# Altium PCB PCB1.PcbDoc (part 2 of 2)
Units mm, origin at the board's own origin, x right, y up, seen from the top; angles counter-clockwise.
Board outline 125 x 50 mm, 4 copper layers (Top Layer, Top Middle Layer, Bottom Middle Layer, Bottom Layer), stack 0.603 mm thick; 91 components, 155 nets, 641 pads, 185 vias.
Unrouted connection lines stored in the file: 1.
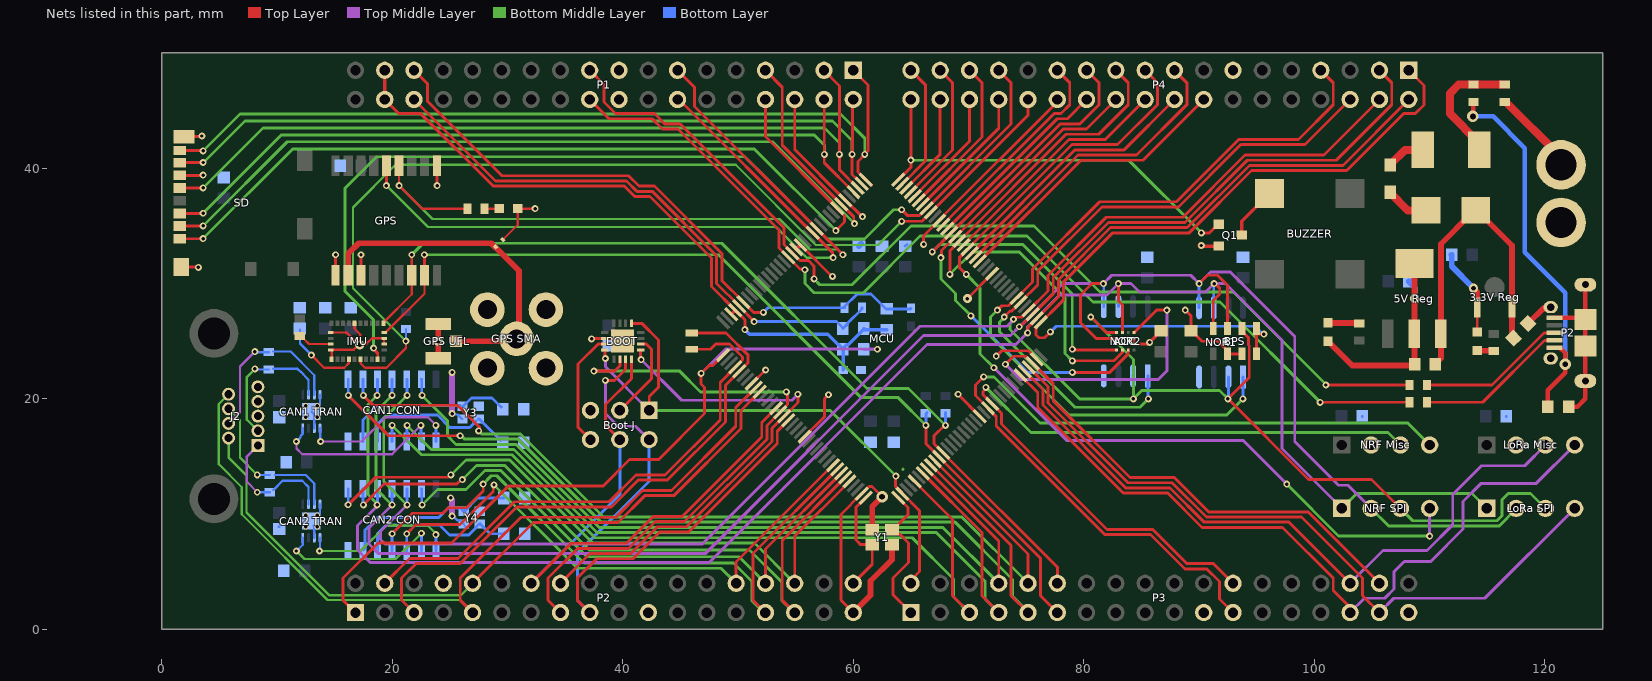
[diagram p4: the nets of this part, all layers, seen from the top]

## Via types
v1: diameter 0.6, hole 0.3, Top Layer to Bottom Layer, 143 vias
v2: diameter 0.8, hole 0.4, Top Layer to Bottom Layer, 26 vias
v3: diameter 0.5, hole 0.3, Top Layer to Bottom Layer, 8 vias
v4: diameter 3.2, hole 3.2, Top Layer to Bottom Layer, 4 vias
v5: diameter 1, hole 0.5, Top Layer to Bottom Layer, 3 vias
v6: diameter 0.8, hole 0.3, Top Layer to Bottom Layer, 1 vias

## Nets (pads, with @x,y where several pads share a name; then routed paths per layer and width w, separated by ;. In a path a pad name is that pad's centre, name@x,y a point inside that pad or via, vN(x,y) a via of type N, cw(c..) or ccw(c..) an arc to the next point about the centre after c; other vN are vias at no path point) (continued)
124: MCU.124 P4.16 | length 25.2
  Top Layer w0.25: MCU.124@70.979,31.929 79.751,40.7 85.14,40.7 P4.16@90.4,45.96
125: MCU.125 P4.17 | length 27.2
  Top Layer w0.25: MCU.125@70.626,32.283 79.493,41.15 84.57,41.15 88.935,45.515 88.935,47.425 P4.17@87.86,48.5
126: MCU.126 P4.18 | length 23.1
  Top Layer w0.25: MCU.126@70.272,32.636 79.236,41.6 83.5,41.6 P4.18@87.86,45.96
128: MCU.128 P4.20 | length 21
  Top Layer w0.25: MCU.128@69.565,33.343 78.722,42.5 81.86,42.5 P4.20@85.32,45.96
132: MCU.132 P4.24 | length 16.7
  Top Layer w0.25: MCU.132@68.151,34.757 77.694,44.3 78.58,44.3 P4.24@80.24,45.96
133: MCU.133 P4.25 | length 18.7
  Top Layer w0.25: MCU.133@67.798,35.111 77.437,44.75 78.01,44.75 78.775,45.515 78.775,47.425 P4.25@77.7,48.5
138: MCU.138 P4.30 | length 11.8
  Top Layer w0.25: MCU.138@66.03,36.879 72.62,43.469 P4.30@72.62,45.96
139: MCU.139 P4.31 | length 14
  Top Layer w0.25: MCU.139@65.676,37.232 71.155,42.711 71.155,47.425 P4.31@70.08,48.5
140: MCU.140 P4.32 | length 10.3
  Top Layer w0.25: MCU.140@65.323,37.586 70.08,42.343 P4.32@70.08,45.96
141: MCU.141 P4.33 | length 12.5
  Top Layer w0.25: MCU.141@64.969,37.939 68.615,41.585 68.615,47.425 P4.33@67.54,48.5
142: MCU.142 P4.34 | length 8.9
  Top Layer w0.25: MCU.142@64.616,38.293 67.54,41.217 P4.34@67.54,45.96
143: MCU.143 P4.35 | length 11.2
  Top Layer w0.25: MCU.143@64.262,38.646 66.25,40.634 66.25,47.25 P4.35@65,48.5
"ACC CSN": ACC.10 MCU.106 P3.34 | length 65.5
  Top Layer w0.25: v1(73.2,23) 73.898,23.698 74.932,23.698 75.54,23.09 MCU.106@75.576,23.09 77.351,21.314 77.351,19.835 84.011,13.175 87.842,13.175 90.817,10.2 99.44,10.2 P3.34@105.64,4 ; ACC.10@84.363,25.75 84.375,25.75 86.325,27.7 v1(87.2,27.7)
  Top Middle Layer w0.25: v1(73.2,23) 74.525,21.675 86.459,21.675 87.2,22.416 v1(87.2,27.7)
"ACC INT1": ACC.5 MCU.129 P4.21 | length 49.2
  Top Layer w0.25: v1(68.38,30.8) 68.4,30.82 68.4,32.85 69.212,33.661 MCU.129@69.212,33.697 78.465,42.95 81.29,42.95 83.855,45.515 83.855,47.425 P4.21@82.78,48.5 ; v1(79,23.3) 82.61,23.3 83.35,24.04 ACC.5@83.35,24.238
  Bottom Middle Layer w0.25: v1@68.4,30.8 68.4,30.82 70.33,32.75 74.4,32.75 78.375,28.775 78.375,23.925 v1(79,23.3)
"ACC INT2": ACC.6 MCU.130 P4.22 | length 44
  Top Layer w0.25: v1(67.6,32.25) 67.667,32.317 67.667,32.859 MCU.130@68.858,34.05 78.208,43.4 80.22,43.4 P4.22@82.78,45.96 ; v1(79,22.3) 82.246,22.3 83.85,23.904 ACC.6@83.85,24.238
  Bottom Middle Layer w0.25: v1(67.6,32.25) 67.6,30.4 68.867,29.133 68.867,28.533 v1(70.2,27.2)
  Bottom Layer w0.25: v1(70.2,27.2) 75.1,22.3 v1(79,22.3)
"ACC TRIG": ACC.4 MCU.131 P4.23 | length 46.1
  Top Layer w0.25: v1(66.85,32.75) MCU.131@68.505,34.404 77.951,43.85 79.65,43.85 81.315,45.515 81.315,47.425 P4.23@80.24,48.5 ; v1(79,24.3) 79.05,24.25 ACC.4@82.838,24.25
  Bottom Middle Layer w0.25: v1@67,32.7 66.965,32.735 66.965,32.864 67.501,33.4 74.7,33.4 79,29.1 v1(79,24.3)
"BOOT PTA6": BOOT.6 MCU.51 P2.15 | length 52.8
  Top Layer w0.25: P2.15@34.6,1.46 33.525,2.535 33.525,4.445 36.105,7.025 40.515,7.025 42.84,9.35 45.36,9.35 52.508,16.498 52.508,17.701 MCU.51@53.655,18.847 53.655,18.877 54.284,19.505 54.284,20.421 54.2,20.505 v1(54.2,20.6) ; v1(37.5,22.4) 39.3,22.4 39.75,22.85 BOOT.6@39.75,23.45
  Bottom Middle Layer w0.25: v1(37.5,22.4) 44.95,22.4 46.75,20.6 v1(54.2,20.6)
"BOOT PTB1": BOOT.9 MCU.52 P2.16 | length 44.6
  Top Layer w0.25: P2.16@34.6,4 37.175,6.575 40.701,6.575 43.026,8.9 45.546,8.9 52.958,16.312 52.958,17.443 MCU.52@54.009,18.494 55.2,19.685 v1(55.2,20.4) ; v1@41.55,23.45 BOOT.9@41.55,24.25
  Top Middle Layer w0.25: v1(41.6,23.4) 45.125,19.875 54.675,19.875 v1(55.2,20.4)
"BPS CSN": BPS.4 BPS.5 MCU.109 P4.1 | length 70.1
  Top Layer w0.25: v1(77.1,25.8) 76.6,25.3 76.1,25.3 75.859,25.541 75.859,26.201 78.251,28.593 78.251,30.149 82.501,34.4 89.15,34.4 94.55,39.8 102.8,39.8 107.75,44.75 108.75,44.75 109.5,45.5 109.5,47.18 P4.1@108.18,48.5 ; BPS.4@94.975,23.9 BPS.5@94.975,25.613 ; BPS.5@94.975,26.1 BPS.5@94.975,25.613 ; v1(95.613,25.613) BPS.5@94.975,25.613
  Bottom Layer w0.25: v1(77.1,25.8) 77.6,26.3 94.831,26.3 95.531,25.6 v1@95.6,25.6
BUZZ: MCU.144 P4.36 Q1.1 | length 37
  Top Layer w0.25: MCU.144@63.908,39 65,40.092 P4.36@65,45.96 ; v1(90.2,34.4) 90.9,34.4 91.65,35.15 Q1.1@91.7,35.15
  Bottom Middle Layer w0.25: v1(65,40.7) 83.9,40.7 v1(90.2,34.4)
"CAN1 CLKO": "CAN1 CON.3" MCU.79 P3.7 | length 75.3
  Top Layer w0.25: MCU.79@66.03,13.544 71.155,8.419 71.155,2.925 P3.7@72.62,1.46
  Bottom Middle Layer w0.25: v1(21.3,17.7) 23.4,15.6 30.573,15.6 37.773,8.4 67.2,8.4 71.453,4.147 71.453,2.647 P3.7@72.7,1.4
  Bottom Layer w0.25: 21.27,16.3 21.3,16.33 v1(21.3,17.7)
"CAN1 CSN": "CAN1 CON.13" MCU.80 P3.8 | length 71.5
  Top Layer w0.25: MCU.80@66.383,13.898 72.62,7.661 P3.8@72.62,4
  Bottom Middle Layer w0.25: v1(22.598,20.3) 24.8,18.098 24.8,16.8 25.55,16.05 30.759,16.05 37.959,8.85 67.77,8.85 P3.8@72.62,4 P3.8@72.7,4
  Bottom Layer w0.25: 22.54,21.7 22.569,21.671 22.569,20.329 v1(22.598,20.3)
"CAN1 INT0N": "CAN1 CON.9" MCU.82 P3.10 | length 79.7
  Top Layer w0.25: v1(17.5,20.3) 18.361,19.439 25.661,19.439 v1@27.596,17.504 ; MCU.82@67.09,14.605 75.16,6.535 P3.10@75.16,4
  Bottom Middle Layer w0.25: v1(27.5,17.225) 27.775,16.95 31.132,16.95 38.332,9.75 69.41,9.75 75.06,4.1 P3.10@75.1,4.1
  Bottom Layer w0.25: 17.46,21.7 17.48,21.68 17.48,20.32 v1(17.5,20.3)
"CAN1 INT1N": "CAN1 CON.8" MCU.81 P3.9 | length 85.4
  Top Layer w0.25: v1(16.2,20.3) 19.7,16.8 v1(25.9,16.8) v1@25.952,16.8 ; MCU.81@66.737,14.251 73.695,7.293 73.695,2.925 P3.9@75.16,1.46
  Bottom Middle Layer w0.25: v1(25.9,16.8) 25.995,16.8 26.295,16.5 30.1,16.5 30.946,16.5 38.146,9.3 68.84,9.3 73.8,4.34 73.8,2.9 P3.9@75.2,1.5
  Bottom Layer w0.25: 16.19,21.7 16.195,21.695 16.195,20.305 v1(16.2,20.3)
"CAN1 INTN": "CAN1 CON.4" MCU.77 P3.5 | length 72.4
  Top Layer w0.25: MCU.77@65.323,12.837 MCU.77@65.323,12.857 ; MCU.77@65.448,12.712 68.615,9.545 68.615,2.925 P3.5@70.08,1.46
  Bottom Middle Layer w0.25: v1(20,17.7) 22.55,15.15 30.386,15.15 37.586,7.95 65.11,7.95 68.7,4.36 68.7,2.8 P3.5@70.1,1.4
  Bottom Layer w0.25: 20,16.3 v1(20,17.7)
CAN1H: "CAN1 TRAN.7" J2.7 R14.1 | length 14.5
  Top Middle Layer w0.2: J2.7@5.9,17.8 5.9,17.95 6.8,18.85 6.8,22.8 v1(8.1,24.1)
  Bottom Layer w0.2: v1@8.15,24.05 R14.1@9.3,24.05 ; R14.1@9.7,24.1 11.2,24.1 13.25,22.05 13.25,20.35
CAN1L: "CAN1 TRAN.6" J2.2 R14.2 | length 12.4
  Top Middle Layer w0.2: J2.2@8.3,17.1 8.3,17.175 J2.2@8.355,17.23
  Bottom Middle Layer w0.2: v1(8.1,22.6) 7.4,21.9 7.4,18.185 J2.2@8.355,17.23 8.4,17.185 J2.2@8.4,17.1 ; J2.2@8.4,17.3 J2.2@8.534,17.3
  Bottom Layer w0.2: v1@8.15,22.55 R14.2@9.3,22.55 ; R14.2@9.7,22.6 11.79,22.6 12.239,22.192 cw(c11.7,21.6) 12.29,22.14 12.75,21.64 12.75,20.35
"CAN2 CLKO": "CAN2 CON.3" MCU.64 P2.28 | length 49.4
  Top Layer w0.25: v1(21.27,8.3) 22.07,9.1 25.9,9.1 28.77,11.97 28.77,12.47 v1(28.837,12.537) ; P2.28@49.84,4 49.84,5.84 MCU.64@58.252,14.251 MCU.64@58.252,14.287
  Bottom Middle Layer w0.25: v1(28.837,12.537) 36.075,5.3 48.54,5.3 49.8,4.04 P2.28@49.8,4
  Bottom Layer w0.25: 21.27,6.8 v1(21.27,8.3)
"CAN2 CSN": "CAN2 CON.13" MCU.66 P2.30 | length 48.8
  Top Layer w0.25: P2.30@52.38,4 52.38,6.966 MCU.66@58.959,13.544
  Bottom Middle Layer w0.25: v1(22.599,10.799) 23.925,12.125 26.4,12.125 28.05,13.775 29.425,13.775 36.9,6.3 50.08,6.3 P2.30@52.38,4
  Bottom Layer w0.25: 22.54,12.2 22.569,12.171 22.569,10.828 v1(22.599,10.799)
"CAN2 INT0N": "CAN2 CON.9" MCU.67 P2.31 | length 60.8
  Top Layer w0.25: v1(17.5,10.8) 19.3,12.6 25.605,12.6 26.005,13 v1(26.1,13) ; P2.31@54.92,1.46 53.845,2.535 53.845,7.723 MCU.67@59.312,13.191
  Bottom Middle Layer w0.25: v1(26.1,13) 27.325,14.225 29.775,14.225 37.1,6.9 51,6.9 53.8,4.1 53.8,2.5 P2.31@54.815,1.485
  Bottom Layer w0.25: 17.46,12.2 17.48,12.18 17.48,10.82 v1(17.5,10.8)
"CAN2 INT1N": "CAN2 CON.8" MCU.68 P2.32 | length 56.9
  Top Layer w0.25: v1(16.19,10.81) 18.58,13.2 24.9,13.2 v1(25.1,13.4) ; P2.32@54.92,4 54.92,8.091 MCU.68@59.666,12.837
  Bottom Middle Layer w0.25: v1(25.1,13.4) 26.4,14.7 30.2,14.7 37.4,7.5 51.42,7.5 54.8,4.12 P2.32@54.8,4
  Bottom Layer w0.25: v1(16.19,10.81) 16.19,12.2
"CAN2 INTN": "CAN2 CON.4" MCU.65 P2.29 | length 58
  Top Layer w0.25: v1(20,8.3) 21.774,10.074 24.423,10.074 24.899,10.55 26.45,10.55 27.9,12 v1(27.9,12.6) ; P2.29@52.38,1.46 51.305,2.535 51.305,6.598 MCU.65@58.605,13.898
  Bottom Middle Layer w0.25: v1(27.9,12.6) 27.9,12.625 28.6,13.325 29.075,13.325 36.65,5.75 49.61,5.75 51.213,4.147 51.213,2.487 P2.29@52.275,1.425
  Bottom Layer w0.25: 20,6.8 v1(20,8.3)
CAN2H: "CAN2 TRAN.7" J2.8 R15.1 | length 13.4
  Top Middle Layer w0.2: J2.8@5.8,19.1 5.8,19.12 J2.8@5.815,19.135
  Bottom Middle Layer w0.2: J2.8@5.815,19.135 6.8,18.15 6.8,14.9 8.2,13.5 v1@8.2,13.4
  Bottom Layer w0.2: v1(8.3,13.4) R15.1@9.4,13.4 ; R15.1@9.8,13.4 12.5,13.4 13.25,12.65 13.25,10.85
CAN2L: "CAN2 TRAN.6" J2.1 R15.2 | length 10.9
  Top Middle Layer w0.2: J2.1@8.2,15.9 8.2,15.805 7.4,15.005 7.4,12.8 v1(8.3,11.9) ; J2.1@8.4,16 J2.1@8.4,16.005
  Bottom Layer w0.2: v1(8.3,11.9) R15.2@9.4,11.9 ; R15.2@9.7,12.1 10.5,12.9 12.2,12.9 12.75,12.35 12.75,10.85
"CAN SHIELD": J2.5
DC: "Boot J.4" BOOT.8 MCU.50 P2.14 | length 53
  Top Layer w0.25: P2.14@32.06,4 35.535,7.475 40.328,7.475 42.653,9.8 45.174,9.8 52.058,16.685 52.058,17.958 MCU.50@53.302,19.201 ; 39.7,16.4 39.7,16.51 38.5,17.71 38.5,19.5 40.75,21.75 BOOT.8@40.75,23.45
  Bottom Middle Layer w0.25: P2.14@31.9,4 P2.14@32.06,4 ; 39.75,16.16 39.6,16.31 39.75,16.46
  Bottom Layer w0.25: P2.14@32,4.1 32.16,4.1 39.75,11.69 39.75,16.46
DD: "Boot J.2" BOOT.7 MCU.53 P2.17 | length 56.7
  Top Layer w0.25: P2.17@37.14,1.46 36.065,2.535 36.065,4.445 37.745,6.125 40.888,6.125 43.213,8.45 45.733,8.45 53.408,16.126 53.408,17.186 MCU.53@54.362,18.14 ; v1@38.6,21.6 39.3,21.6 40.25,22.55 BOOT.7@40.25,23.45
  Top Middle Layer w0.25: v1(38.5,21.6) 38.5,18.73 39.603,17.627 41.123,17.627 42.29,16.46 42.3,16.45 42.3,16.4
  Bottom Middle Layer w0.25: P2.17@37.1,1.4 P2.17@37.1,1.5
  Bottom Layer w0.25: P2.17@37.1,1.5 36.065,2.535 36.065,6.603 42.29,12.828 42.29,16.46
DE: "Boot J.6" BOOT.3 | length 10.2
  Top Layer w0.25: 37.2,16.3 37.2,16.47 36.135,17.535 36.135,23.01 37.875,24.75 BOOT.3@38.45,24.75
"DSUB IO1": J2.6 MCU.46 P2.10@26.98,4 | length 62.8
  Top Layer w0.25: P2.10@26.98,4 32.255,9.275 39.583,9.275 41.908,11.6 44.428,11.6 50.258,17.43 50.258,18.986 MCU.46@51.888,20.615
  Bottom Middle Layer w0.2: J2.6@5.815,16.595 5.815,14.912 7.365,13.362 7.365,10.145 14.56,2.95 25.95,2.95 P2.10@27,4
"DSUB IO2": J2.9 MCU.45 P2.9@26.98,1.46 | length 72.1
  Top Layer w0.25: P2.9@26.98,1.46 25.905,2.535 25.905,4.445 31.185,9.725 39.396,9.725 41.721,12.05 44.242,12.05 49.808,17.617 49.808,19.243 MCU.45@51.534,20.969
  Bottom Middle Layer w0.2: J2.9@5.815,20.405 4.955,19.545 4.955,14.337 6.965,12.327 6.965,9.979 14.394,2.55 25.89,2.55 P2.9@26.98,1.46 27,1.44 P2.9@27,1.4
EXTAL32: MCU.41 P2.5@21.9,1.46 Y2.2 | length 49.4
  Top Layer w0.25: P2.5@21.9,1.46 21.9,1.468 20.825,2.543 20.825,4.445 22.08,5.7 25.887,5.7 30.812,10.625 39.024,10.625 41.349,12.95 43.869,12.95 48.908,17.99 48.908,21.172 50.883,23.146 50.883,23.776 48.96,25.7 Y2.2@46,25.7
GND: "3.3V Reg.1" "5V Reg.2" "5V Reg.4" "Boot J.5" "CAN1 CON.7" "CAN1 TRAN.2" "CAN1 TRAN.8" "CAN1 TRAN.9" "CAN2 CON.7" "CAN2 TRAN.2" "CAN2 TRAN.8" "CAN2 TRAN.9" "GPS SMA.MH" "GPS UFL.2" "GPS UFL.3" "LoRa Misc.2" "NRF Misc.2" ACC.8 ACC.9 BOOT.2 BOOT.17 BPS.2 BPS.3 C4.2 C9.2 C11.2 C20.2 C21.2 C22.2 C23.2 C24.2 C25.2 C26.2 C28.2 C29.2 C30.2 C31.2 C35.2 C36.2 C37.2 C38.2 C39.2 C40.2 C41.2 C42.2 C43.2 C44.2 C45.2 C46.2 C47.2 C48.2 C49.1 C50.1 D3.2 DS1.1 DS2.1 DS3.1 FB3.1 GPS.1 GPS.10 GPS.12 IMU.2 IMU.5 IMU.6 IMU.17 IMU.18 IMU.25 J1.2 J2.3 J2.4 MCU.6 MCU.17 MCU.18 MCU.44 MCU.57 MCU.71 MCU.93 MCU.107 MCU.121 MCU.134 NOR1.4 NOR2.4 P1.6 P1.17 P1.18 P2.5@120.825,27.025 P2.6@120.5,23.5 P2.7@120.5,27.95 P2.8 P2.9@123.5,24.575 P2.10@123.5,26.875 P2.11@123.5,29.9 P2.21 P2.35 P3.21 P3.35 P4.13 P4.26 Q1.2 SD.6 SD.11 SD.12 Y1.2 Y1.4 Y3.2 Y3.4 Y4.2 Y4.4 | length 173.6
  Top Layer w0.2: IMU.5@14.687,24.25 16.66,24.25 v2@17.11,24.7 ; IMU.2@14.687,25.75 16.05,25.75 17.1,24.7 v2@17.11,24.7 ; IMU.6@14.75,23.438 14.75,24.15 IMU.5@14.8,24.2 ; IMU.25@16.75,26.562 16.75,26.05 17.225,25.575 17.225,24.8 v2@17.263,24.762 ; IMU.17@19.287,24.725 IMU.17@19.312,24.75 19.3,24.763 IMU.18@19.3,25.2 ; IMU.18@19.312,25.25 18.25,25.25 17.745,24.745 17.27,24.745 17.225,24.7 v2(17.2,24.7) v2@17.11,24.7 ; v2@23.9,25 v2@24,25.1 ; D3.2@29.715,33.773 29.627,33.773 D3.2@29.6,33.8 30.9,35.1 30.9,36.4 31,36.5 v1(32.4,36.5) ; 104.902,16.348 105,16.25 ; DS1.1@114.134,25.8 114.134,27.774 ; P2.6@120.5,23.5 P2.6@120.6,23.5 ; P2.7@120.5,27.95 120.5,28 P2.7@120.65,28 ; P2.10@123.225,27.025 P2.10@123.25,27
  Top Layer w0.25: SD.6@1.588,39.387 v1@3.587,39.387 ; SD.11@1.713,31.427 v1@3.273,31.427 ; SD.12@1.938,42.747 v1@3.647,42.747 ; GPS.10@15.1,30.719 v1(15.1,32.5) ; GPS.12@17.3,30.719 17.301,30.72 v1(17.301,32.499) ; v1(23.9,38.5) GPS.1@23.9,40.219 ; v1(37.3,25.2) v1@37.35,25.25 ; v1@37.4,25.3 37.45,25.25 BOOT.2@38.45,25.25 39.15,25.25 BOOT.17@39.2,25.2 ; BOOT.17@39.35,25.25 BOOT.17@39.4,25.2 ; MCU.44@51.181,21.322 51.201,21.322 52.379,22.5 v1(52.4,22.5) ; P1.6@54.92,45.96 54.92,41.624 MCU.6@59.312,37.232 59.34,37.232 60.772,35.8 v1(60.8,35.8) ; MCU.17@55.423,33.343 55.44,33.343 58.158,30.625 v1(58.2,30.625) ; MCU.57@55.777,16.726 57.5,18.449 57.5,20 v1(57.851,20.351) ; P2.35@60,1.46 58.925,2.535 58.925,9.975 MCU.71@60.726,11.776 60.762,11.776 61.37,12.384 61.639,12.384 62.5,11.523 v5(62.5,11.5) ; v1(66.1,33.4) 66.1,34.121 MCU.134@67.444,35.464 67.444,35.5 77.7,45.756 P4.26@77.7,45.96 ; v1(69.1,20.4) 69.1,20.373 MCU.93@70.979,18.494 ; v6(69.9,28.7) 69.9,28.714 72.04,30.854 MCU.121@72.04,30.868 ; v1(72.4,23.7) 72.873,24.173 75.2,24.173 MCU.107@75.929,23.444 ; ACC.8@84.363,24.75 85.55,24.75 86.275,25.475 86.275,25.525 86.55,25.8 C31.2@86.6,25.8 ; ACC.9@84.363,25.25 84.363,24.837 ACC.8@84.4,24.8 ; v1(88.8,27.7) 89.3,27.2 C30.2@89.3,25.9 ; C30.2@89.3,25.8 C30.2@89.3,25.9 ; BPS.2@92.4,24.2 92.4,24.225 91.625,25 90.25,25 89.35,25.9 C30.2@89.3,25.9 ; BPS.2@92.5,24 92.6,23.9 BPS.3@93.725,23.9
  Top Layer w0.3: MCU.18@55.07,32.99 MCU.17@55.423,33.343 ; v1@90.15,33.25 Q1.2@91.7,33.25
  Top Layer w0.4: P2.5@120.825,27.025 P2.10@123.225,27.025 ; C9.2@122.058,19.321 122.821,19.321 123.5,20 P2.8@123.5,21.5 ; 123.5,22.25 123.5,29.25
  Top Layer w0.5: 24,23.525 v2(24,25) 24,25.1 24,26.475 ; P2.35@60,1.46 61.5,2.96 61.5,4.2 63.35,6.05 Y1.2@63.35,7.35 ; Y1.4@61.65,8.65 61.65,10.65 v5(62.5,11.5) ; C31.2@86.65,25.9 C31.2@86.7,25.9 ; v1@90.1,33.3 v1@90.15,33.25 ; Q1.2@91.7,33.25 Q1.2@91.75,33.25 ; DS2.1@101.192,25 103.292,22.9 108.6,22.9 C37.2@108.69,22.99 ; 108.679,31.75 108.679,25.65 108.69,25.64 C37.2@108.69,22.99 ; C37.2@108.7,23 C37.2@108.69,22.99 ; v2(113.8,29.6) 114.134,29.266 114.134,27.919 ; C4.2@118.536,26.536 119.845,27.845 120.445,27.845 P2.7@120.5,27.9
  Top Middle Layer w0.5: v1(25.075,11.4) 25.075,11.373 25.2,11.248 v1(25.2,9.825) ; v1(25.2,22.3) 25.205,22.295 25.205,18.719 v1(25.209,18.714)
  Bottom Layer w0.2: 13,18.9 13.25,18.65 13.25,17.45 ; 13.2,9 13.25,8.95 13.25,7.95 ; v3@13.5,9.8 13.5,9.85 13.75,10.1 13.75,10.85 ; v3(13.5,19.4) 13.55,19.4 13.75,19.6 13.75,20.35 ; v1(25.2,9.825) 25.298,9.825 25.673,9.45 25.9,9.45 Y4.2@26.2,9.15 ; v1(25.209,18.714) 25.286,18.638 25.662,18.638 26.05,18.25 Y3.2@26.1,18.25 ; Y4.2@26.291,8.959 Y4.2@26.3,8.95 ; C36.2@104.15,18.45 C36.2@104.15,18.5 ; C48.2@116.65,18.45 C48.2@116.65,18.5
  Bottom Layer w0.25: v3@12.6,18.4 v3@12.7,18.5 ; C20.2@64.5,33.25 C20.2@64.65,33.4
  Bottom Layer w0.5: C22.2@60.5,33.25 C22.2@60.7,33.45 ; C38.2@108.2,30.2 108.2,30.15 108.7,29.65 v2(108.7,28.7) ; C11.2@111.9,32.5 111.907,32.493 111.907,31.493 v2(113.8,29.6)
  other v1: 85.7,24.9 3.2,31.4 90.2,33.3 3.6,39.4 3.5,42.8
  other v3: 12.5,8.9 13.5,8.9 12.5,9.9 13.5,9.9 12.5,18.4 13.5,18.4 12.5,19.4
"GPS INT": GPS.5 MCU.14 P1.14 | length 62.5
  Top Layer w0.25: v1(19.5,38.5) GPS.5@19.5,40.219 ; P1.14@44.76,45.96 44.892,45.96 56.448,34.404 MCU.14@56.484,34.404 58.217,32.671 58.217,32.282 v1(58.249,32.249)
  Bottom Middle Layer w0.2: v1(19.5,38.5) 23.1,34.9 53.3,34.9 55.951,32.249 v1(58.249,32.249)
"GPS SIG": "GPS SMA.1" "GPS UFL.1" D3.1 GPS.11 | length 29.6
  Top Layer w0.5: GPS.11@16.2,30.719 16.2,32.6 17.1,33.5 28.525,33.5 28.605,33.5 29.552,32.552 31,31.105 31,25 ; 25.525,25 31,25
"GPS TP": GPS.4 MCU.13 P1.13 R13.2 | length 71.4
  Top Layer w0.2: GPS.4@20.6,40.219 v1(20.6,38.5) 22.6,36.5 R13.2@26.521,36.5
  Top Layer w0.25: P1.13@44.76,48.5 46.225,47.035 46.225,45.37 MCU.13@56.837,34.757 56.84,34.757 59.097,32.5 v1(59.1,32.5)
  Bottom Middle Layer w0.2: v1(20.6,38.5) 23.5,35.6 53.6,35.6 56.251,32.949 58.651,32.949 v1(59.1,32.5)
"IMU INT": IMU.14 MCU.137 P4.29 | length 87.5
  Top Layer w0.25: v1(18.4,24.4) 18.4,24.305 18.75,23.955 IMU.14@18.75,23.438 ; v1(64.2,36.4) 64.683,35.917 65.74,35.917 66.348,36.525 MCU.137@66.383,36.525 73.695,43.837 73.695,47.425 P4.29@72.62,48.5
  Bottom Middle Layer w0.25: v1(18.4,24.4) 18.4,26.825 15.9,29.325 15.9,38.267 18.633,41 50.6,41 57.725,33.875 60.975,33.875 63.5,36.4 v1(64.2,36.4)
"IMU RST": IMU.11 MCU.136 P4.28 R16.2 | length 89.3
  Top Layer w0.2: IMU.11@17.25,23.438 17.275,23.413 17.275,23.076 17.651,22.7 19.5,22.7 21.2,24.4 v1(21.2,25)
  Top Layer w0.25: v1(64.188,35.387) 64.201,35.4 65.965,35.4 75.16,44.595 P4.28@75.16,45.96
  Bottom Middle Layer w0.2: v1(21.2,25) 16.6,29.6 16.6,36.6 20.3,40.3 49.8,40.3 56.751,33.349 62.15,33.349 v1(64.188,35.387)
  Bottom Layer w0.2: v1(21.2,25) R16.2@21.2,26.05
"LoRa CSN": "LoRa SPI.4" MCU.105 P3.33 | length 61.5
  Top Layer w0.25: MCU.105@75.222,22.737 76.901,21.057 76.901,19.648 83.825,12.725 87.656,12.725 90.631,9.75 98.87,9.75 104.175,4.445 104.175,2.925 P3.33@105.64,1.46
  Top Middle Layer w0.25: P3.33@105.7,1.52 106.88,2.7 114.78,2.7 122.58,10.5
"LoRa INT": "LoRa Misc.4" MCU.103 P3.31 | length 66.7
  Top Layer w0.25: MCU.103@74.515,22.029 76.001,20.543 76.001,19.249 83.425,11.825 87.283,11.825 90.258,8.85 97.23,8.85 101.635,4.445 101.635,3.365 102.861,2.139 102.861,1.699 P3.31@103.1,1.46
  Top Middle Layer w0.25: P3.31@103.1,1.46 104.34,2.7 106.1,2.7 106.9,3.5 106.9,5 107.8,5.9 110.1,5.9 112.9,8.7 112.9,11.1 114.471,12.671 119.251,12.671 122.58,16
  Bottom Middle Layer w0.25: 64.3,13.9 64.329,13.871 ; 122.48,15.9 122.6,15.9
"LoRa RST": "LoRa Misc.3" MCU.104 P3.32 | length 60.1
  Top Layer w0.25: MCU.104@74.869,22.383 76.451,20.8 76.451,19.462 83.638,12.275 87.469,12.275 90.444,9.3 97.8,9.3 P3.32@103.1,4
  Top Middle Layer w0.25: P3.32@103.1,4 105.955,6.855 109.781,6.855 112,9.075 112,11.7 114.5,14.2 118.24,14.2 120.04,16
MISO: "CAN1 CON.12" "CAN2 CON.12" "LoRa SPI.3" "NRF SPI.3" ACC.1 BPS.6 MCU.112 NOR1.2 NOR2.2 P4.4 | length 200.9
  Top Layer w0.25: 74.173,27.078 74.579,27.078 75.187,27.686 MCU.112@75.222,27.686 76.901,29.365 76.901,30.708 81.942,35.75 88.591,35.75 93.991,41.15 100.83,41.15 P4.4@105.64,45.96 ; v1@80.7,27.1 80.7,27 81.95,25.75 ACC.1@82.838,25.75 ; BPS.6@93.7,26 93.7,25.875 94.275,25.3 94.275,24.66 94.35,24.585 94.35,21.85 v1(92.5,20) 99.5,13 104.96,13 107.46,10.5
  Top Middle Layer w0.25: v1(21.3,10.8) 19.004,8.504 19.004,7.796 19.4,7.4 46.9,7.4 65.8,26.3 73.325,26.3 73.9,26.875 v1(73.9,26.9)
  Bottom Middle Layer w0.25: v1(21.3,10.8) 19.275,12.825 19.275,18.275 v1(21.3,20.3) ; v1(73.9,26.9) 73.9,26.805 73.6,26.505 73.6,26.026 79.626,20 v1(84.3,20) ; v1(80.6,27.1) 84.3,23.4 v1(84.3,20) ; v1@84.3,19.9 v1(84.3,20) ; v1(92.5,20) 91.775,20.725 85.025,20.725 v1(84.3,20) ; 107.46,10.5 108.535,9.425 115.845,9.425 116.272,9.853 116.272,11.254 116.819,11.8 118.74,11.8 120.04,10.5 120.1,10.44 120.1,10.4
  Bottom Layer w0.25: 21.27,12.2 21.285,12.185 21.285,10.815 v1(21.3,10.8) ; 21.27,21.7 21.285,21.685 21.285,20.315 v1(21.3,20.3) ; NOR2.2@84.27,22 84.285,21.985 84.285,20.015 v1(84.3,20) ; v1@92.54,20.06 NOR1.2@92.54,21.9
MOSI: "CAN1 CON.11" "CAN2 CON.11" "LoRa SPI.2" "NRF SPI.2" ACC.2 BPS.7 MCU.111 NOR1.5 NOR2.5 P4.3 | length 207.4
  Top Layer w0.25: v1(74.4,26.251) 74.458,26.251 75.54,27.333 MCU.111@75.576,27.333 77.351,29.108 77.351,30.522 82.129,35.3 88.778,35.3 94.178,40.7 101.9,40.7 106.715,45.515 106.715,47.425 P4.3@105.64,48.5 ; v1(81.7,30) 80.7,30 79.7,29 79.7,26.6 81.05,25.25 ACC.2@82.838,25.25 ; v1(90,30) 90.725,30.725 91.6,30.725 92.475,29.85 BPS.7@92.475,26.1 92.475,26.075 BPS.7@92.4,26
  Top Middle Layer w0.25: v1(20,10.8) 18,8.8 18,7.4 18.8,6.6 47.2,6.6 66.1,25.5 73.65,25.5 v1(74.4,26.251) 74.439,26.251 78.189,30 v1(81.7,30) 82.425,30.725 89.275,30.725 v1(90,30) 91,31 92.7,31 98.3,25.4 98.3,16.3 102.1,12.5 102.92,12.5 104.82,10.6 104.9,10.6
  Bottom Middle Layer w0.25: v1(20,10.8) 18.6,12.2 18.6,18.9 v1(20,20.3) ; 104.92,10.5 106.445,8.975 116.031,8.975 117.5,10.444 117.5,10.5
  Bottom Layer w0.25: v1(20,10.8) 20,12.2 ; v1(20,20.3) 20,21.7 ; NOR2.5@81.73,28 v1@81.73,29.97 ; NOR1.5@90,27.9 v1(90,30)
"Net3.3V Reg_3": "3.3V Reg.3" "5V Reg.3" C4.1 C37.1 D1.1 | length 26.5
  Top Layer w0.25: D1.1@113.609,36.068 D1.1@113.792,36.068 ; D1.1@114.3,35.814 D1.1@114.627,35.814
  Top Layer w0.5: C37.1@110.5,22.9 C37.1@110.5,23 110.5,23.05 110.979,23.529 110.979,25.65 110.979,33.439 D1.1@113.609,36.068 ; D1.1@114.627,35.814 117.134,33.307 117.134,27.919 117.134,25.747 117.228,25.653 117.228,25.528 C4.1@117.1,25.4
"NetBAT JP_1": "BAT JP.1" "USB JP.2" F1.1 | length 10.6
  Top Layer w0.25: F1.1@114.25,42 F1.1@114.25,42.248
  Top Layer w0.7: 113.75,47.25 116.5,47.25 ; 113.8,47.25 112.5,47.25 111.75,46.5 111.75,44.748 F1.1@114.25,42.248
"NetBAT JP_2": "BAT JP.2" J1.1 | length 7
  Top Layer w0.25: 116.5,45.75 116.6,45.75 ; J1.1@121.25,40.75 J1.1@121.25,41.1
  Top Layer w0.7: 116.6,45.75 J1.1@121.25,41.1
NetBUZZER_3: BUZZER.3 Q1.3 | length 3.6
  Top Layer w0.3: Q1.3@93.7,34.2 93.7,35.4 BUZZER.3@95.3,37
  Top Layer w0.5: BUZZER.3@95.3,37 BUZZER.3@95.3,37.1
NetC39_1: "CAN1 CON.5" C39.1 Y3.1 | length 13.8
  Bottom Layer w0.25: 18.73,16.3 18.73,17.83 19.5,18.6 23.925,18.6 25,17.525 26.725,17.525 Y3.1@27.3,18.1 ; Y3.1@27.5,18.25 27.55,18.25 29.175,16.625 29.225,16.625 29.4,16.45 C39.1@29.4,16.4
NetC40_1: "CAN1 CON.6" C40.1 Y3.3 | length 14.9
  Bottom Layer w0.25: 17.46,16.3 17.46,18.16 18.739,19.439 25.861,19.439 Y3.3@25.925,19.375 ; Y3.3@26.1,19.35 26.15,19.35 26.875,20.075 28.675,20.075 29.45,19.3 C40.1@29.5,19.3
NetC42_1: "CAN2 CON.5" C42.1 Y4.1 | length 14.1
  Bottom Layer w0.25: 18.73,6.8 18.73,8.33 19.465,9.065 24.112,9.065 24.977,8.2 26.65,8.2 27.275,8.825 27.275,8.875 27.55,9.15 Y4.1@27.6,9.15 27.65,9.15 28.5,8.3 C42.1@29.7,8.3 C42.1@29.8,8.4
NetC43_1: "CAN2 CON.6" C43.1 Y4.3 | length 15.2
  Bottom Layer w0.25: 17.5,6.9 17.635,7.035 17.635,8.635 18.7,9.7 24.049,9.7 24.899,10.55 25.5,10.55 25.525,10.525 25.925,10.525 Y4.3@26.2,10.25 26.25,10.25 27.4,11.4 C43.1@29.7,11.4
NetC47_1: C47.1 IMU.9 | length 6.8
  Top Layer w0.2: v1(13,23.8) 14.1,22.7 15.849,22.7 16.225,23.076 16.225,23.413 IMU.9@16.25,23.438
  Bottom Layer w0.2: C47.1@12,26 12,24.8 v1(13,23.8)
"NetCAN1 CON_1": "CAN1 CON.1" "CAN1 TRAN.1" | length 13.7
  Top Middle Layer w0.2: v1(13.8,16.3) 17.35,16.3 19.45,18.4 23.1,18.4 v1(23.8,17.7)
  Bottom Layer w0.2: 13.75,17.45 13.76,17.44 13.76,16.34 v1(13.8,16.3)
  Bottom Layer w0.25: 23.81,16.3 v1@23.81,17.7
"NetCAN1 CON_2": "CAN1 CON.2" "CAN1 TRAN.4" | length 15.4
  Top Middle Layer w0.2: v1(11.7,16.3) 11.7,15.7 12.2,15.2 20,15.2 v1(22.5,17.7)
  Bottom Layer w0.2: v1@11.7,16.29 11.997,16.587 cw(c12.766,16.366) 12.2,16.931 12.25,16.981 12.25,17.45
  Bottom Layer w0.25: v1(22.5,17.7) 22.5,16.34 22.54,16.3
"NetCAN2 CON_1": "CAN2 CON.1" "CAN2 TRAN.1" | length 14
  Bottom Middle Layer w0.2: v1(13.7,6.8) 17.26,6.8 19.5,9.04 23.06,9.04 23.8,8.3 v1(23.8,8.225)
  Bottom Layer w0.2: v1@13.75,6.75 13.75,7.95
  Bottom Layer w0.25: v1(23.8,8.225) 23.805,8.22 23.805,6.805 23.81,6.8
"NetCAN2 CON_2": "CAN2 CON.2" "CAN2 TRAN.4" | length 15
  Top Middle Layer w0.2: v1@22.5,8.3 v1@22.6,8.3
  Bottom Middle Layer w0.2: v1(11.7,6.8) 12.4,6.1 20.3,6.1 v1@22.5,8.3
  Bottom Layer w0.2: v1(11.7,6.8) 12.24,7.34 12.24,7.94 12.25,7.95
  Bottom Layer w0.25: 22.54,6.8 v1(22.54,8.34)
NetD1_2: D1.2 FB1.2 | length 3.7
  Top Layer w0.7: FB1.2@106.6,37.85 108.1,36.35 D1.2@109.691,36.35
NetDS1_2: DS1.2 R10.1 | length 1.6
  Top Layer w0.5: DS1.2@114.046,24.13 114.087,24.171 115.541,24.171 R10.1@115.57,24.142
NetDS2_2: DS2.2 R18.1 | length 2.8
  Top Layer w0.5: DS2.2@101.1,26.6 101.125,26.575 103.875,26.575 R18.1@103.9,26.55
NetDS3_2: DS3.2 R13.1 | length 1.3
  Top Layer w0.2: R13.1@28.021,36.5 DS3.2@29.3,36.5
NetF1_2: F1.2 FB1.1 | length 3.3
  Top Layer w0.7: FB1.1@106.6,40.35 107.85,41.6 F1.2@109.399,41.6
NetIMU_4: IMU.4 R17.1 | length 2.9
  Top Layer w0.2: R17.1@12,25.3 12.25,25.3 12.8,24.75 IMU.4@14.687,24.75
"NOR1 CS": MCU.115 NOR1.1 P4.7 | length 70.3
  Top Layer w0.25: v1(72.5,27.7) 72.875,28.075 73.454,28.075 74.126,28.747 MCU.115@74.161,28.747 75.551,30.136 75.551,31.267 81.383,37.1 88.032,37.1 93.432,42.5 98.62,42.5 101.635,45.515 101.635,47.425 P4.7@100.56,48.5
  Bottom Middle Layer w0.25: v1(72.5,27.7) 71.9,27.1 71.9,25.4 78.7,18.6 92.4,18.6 v1(93.8,20)
  Bottom Layer w0.25: v1@93.81,20.09 NOR1.1@93.81,21.9
"NOR2 CS": MCU.114 NOR2.1 P4.6 | length 57.9
  Top Layer w0.25: v1(73.1,27.1) 73.1,27.125 73.6,27.625 73.747,27.625 MCU.114@74.515,28.393 76.001,29.879 76.001,31.081 81.57,36.65 88.218,36.65 93.618,42.05 99.19,42.05 P4.6@103.1,45.96
  Bottom Middle Layer w0.25: v1(73.1,27.1) 73.1,27.079 72.7,26.679 72.7,25.8 79.225,19.275 84.875,19.275 v1(85.6,20)
  Bottom Layer w0.25: NOR2.1@85.54,22 85.57,21.97 85.57,20.03 v1(85.6,20)
"NRF CE": "NRF Misc.3" MCU.96 P3.24 | length 67.8
  Top Layer w0.25: v1(71.5,21) 71.5,20.905 71.245,20.65 71.245,20.35 MCU.96@72.04,19.555 72.851,18.743 72.851,17.824 82.001,8.675 85.978,8.675 88.953,5.7 91.24,5.7 P3.24@92.94,4
  Bottom Middle Layer w0.25: v1(71.5,21) 75.425,17.075 106.385,17.075 107.46,16
"NRF CSN": "NRF SPI.4" MCU.127 P4.19 | length 83.6
  Top Layer w0.25: v1(69.8,30.8) 69.2,31.4 69.2,32.235 69.919,32.954 MCU.127@69.919,32.99 78.979,42.05 82.93,42.05 86.395,45.515 86.395,47.425 P4.19@85.32,48.5
  Top Middle Layer w0.25: v1@69.9,30.7 v1@69.9,30.9 ; v1(72.2,22.7) 78.5,16.4 93.8,16.4 v1(97.6,12.6) ; v1@110,7.9 v1(110,8.1) 110,10.5
  Bottom Middle Layer w0.25: v1(69.8,30.8) 71,29.6 71,23.9 v1(72.2,22.7) ; v1(97.6,12.6) 102.1,8.1 v1(110,8.1)
"NRF IRQ": "NRF Misc.4" MCU.95 P3.23 | length 74.7
  Top Layer w0.25: v1@71.205,21.9 v1(71.3,21.9) 70.6,21.2 70.6,20.288 MCU.95@71.687,19.201 71.687,19.166 72.401,18.451 72.401,17.638 81.814,8.225 85.792,8.225 88.767,5.25 90.67,5.25 91.773,4.147 91.773,2.627 P3.23@92.94,1.46
  Bottom Middle Layer w0.25: v1(71.3,21.9) 72.2,21.9 76.2,17.9 108.1,17.9 110,16
Prog: "Boot J.3" BOOT.10 | length 7.6
  Top Layer w0.25: 39.75,19 42.5,21.75 42.5,24.3 42.05,24.75 BOOT.10@41.55,24.75
PTA18: MCU.72 P2.36 Y1.1 | length 9.6
  Top Layer w0.25: P2.36@60,4 61.65,5.65 Y1.1@61.65,7.35 60.65,7.35 60.25,7.75 60.25,10.593 MCU.72@61.08,11.423
PTA19: MCU.73 P3.1 Y1.3 | length 12.9
  Top Layer w0.25: MCU.73@63.885,11.423 MCU.73@63.908,11.423 64.75,10.581 64.75,9.95 63.45,8.65 Y1.3@63.35,8.65 63.725,8.275 64.025,8.275 64.8,7.5 64.8,5.8 63.46,4.46 63.46,3 P3.1@65,1.46
Reset: "Boot J.1" BOOT.4 BOOT.13 MCU.74 P3.2 | length 50.5
  Top Layer w0.25: BOOT.4@38.45,24.25 38.475,24.25 38.475,23.525 v1(38.5,23.5) ; BOOT.13@40.75,26.55 41.66,26.55 43.1,25.11 43.1,21 42.3,20.2 42.3,19 ; v1(63.7,13.3) 63.654,13.254 63.654,12.42 64.262,11.812 MCU.74@64.262,11.776 65.75,10.288 65.75,5.021 65,4.271 P3.2@65,4
  Top Middle Layer w0.25: v1(38.5,23.5) 38.5,22.79 42.29,19
  Bottom Middle Layer w0.25: 42.3,18.99 58.01,18.99 v1(63.7,13.3)
SCL: GPS.17 IMU.19 MCU.83 P3.11 R11.1 | length 80.1
  Top Layer w0.2: IMU.19@19.312,25.75 19.425,25.75 22.8,29.125 GPS.17@22.8,30.8
  Top Layer w0.25: GPS.17@22.8,30.719 v1(22.8,32.5) ; v1(66.3,17.7) 66.3,16.102 MCU.83@67.444,14.958 76.235,6.167 76.235,2.925 P3.11@77.7,1.46
  Bottom Middle Layer w0.25: v1(22.8,32.5) 48.3,32.5 60.7,20.1 63.9,20.1 v1(66.3,17.7)
  Bottom Layer w0.25: v1(66.3,17.7) 66.3,18.7 R11.1@66.4,18.8
SCLK: "CAN1 CON.10" "CAN2 CON.10" "LoRa SPI.1" "NRF SPI.1" ACC.12 BPS.8 MCU.110 NOR1.6 NOR2.6 P4.2 | length 196.8
  Top Layer w0.25: v1(75.125,25.725) 75.167,25.767 75.167,26.217 MCU.110@75.929,26.979 77.801,28.851 77.801,30.335 82.315,34.85 88.964,34.85 94.364,40.25 102.47,40.25 P4.2@108.18,45.96 ; v1(83,30) 83,28.5 83.35,28.15 ACC.12@83.35,25.763 ; BPS.8@91.225,26.1 91.225,28.525 91.795,29.095 91.795,29.6 91.395,30 v1(91.3,30)
  Top Middle Layer w0.25: v1@18.7,10.7 18.695,10.7 18.633,10.638 18.633,10.633 17,9 17,6.9 18.1,5.8 47.5,5.8 66.4,24.7 74.1,24.7 v1(75.125,25.725) 75.125,26.225 77.9,29 82,29 v1(83,30) 84.1,30 84.825,29.275 90.575,29.275 v1(91.3,30) 92.3,30 97.2,25.1 97.2,15.68 102.3,10.58
  Bottom Middle Layer w0.25: v1@18.689,20.289 17.9,19.5 17.9,11.695 18.7,10.895 v1(18.7,10.8) ; 102.38,10.5 103.68,11.8 113.66,11.8 114.96,10.5 115,10.5
  Bottom Layer w0.25: v1(18.7,10.8) 18.715,10.815 18.715,12.185 18.73,12.2 ; v1(18.7,20.3) 18.715,20.315 18.715,21.685 18.73,21.7 ; NOR2.6@83,28 v1(83,30) ; NOR1.6@91.27,27.9 v1@91.27,29.97
"SD CLK": MCU.3 P1.3 SD.5 | length 72.3
  Top Layer w0.25: SD.5@1.588,38.288 v1@3.588,38.288 ; P1.3@57.46,48.5 58.815,47.145 58.815,41.215 v1(58.8,41.2) 58.8,39.866 MCU.3@60.373,38.293 MCU.3@60.378,38.293
  Bottom Middle Layer w0.25: v1(3.6,38.3) 8.8,43.5 57.5,43.5 58.8,42.2 v1(58.8,41.2)
"SD CMD": MCU.4 P1.4 SD.3 | length 69
  Top Layer w0.25: SD.3@1.6,36.1 SD.3@1.588,36.087 v1@3.588,36.087 ; P1.4@57.46,45.96 57.48,45.94 57.48,40.479 MCU.4@60.019,37.939 ; MCU.4@60.362,37.562 MCU.4@60.397,37.562
  Bottom Middle Layer w0.25: v1(3.6,36.1) 10.4,42.9 56.6,42.9 57.5,42 v1(57.5,41.2)
"SD DAT0": MCU.2 P1.2 SD.7 | length 68.8
  Top Layer w0.25: SD.7@1.588,40.487 v1@3.613,40.487 ; P1.2@60,45.96 59.95,45.91 59.95,41.25 v1(59.9,41.2) 59.9,39.473 60.285,39.088 60.288,39.088 MCU.2@60.3,39.1 ; MCU.2@60.9,38.473 MCU.2@60.9,38.5
  Bottom Middle Layer w0.25: v1(3.6,40.5) 3.625,40.5 7.225,44.1 58.2,44.1 59.9,42.4 v1(59.9,41.2)
"SD DAT1": MCU.1 P1.1 SD.8 | length 74.4
  Top Layer w0.25: SD.8@1.588,41.537 v1@3.663,41.537 ; P1.1@60,48.5 61.27,47.23 61.27,41.521 61,41.251 v1(61,41.2) 60.4,40.6 60.4,39.68 MCU.1@61.08,39 61.115,39 MCU.1@61.587,38.529
  Bottom Middle Layer w0.25: v1(3.6,41.5) 6.8,44.7 58.9,44.7 61,42.6 v1(61,41.2)
"SD DAT2": MCU.8 P1.8 SD.1 | length 77.5
  Top Layer w0.25: SD.1@1.588,33.887 v1@3.487,33.887 ; P1.8@52.38,45.96 52.38,42.75 MCU.8@58.605,36.525 58.605,36.49 59.246,35.848 59.246,35.346 v1(58.5,34.6)
  Bottom Middle Layer w0.25: v1(3.6,33.9) 11.358,41.658 51.442,41.658 v1(58.5,34.6)
"SD DAT3": MCU.7 P1.7 SD.2 | length 81.1
  Top Layer w0.25: SD.2@1.588,34.987 v1@3.587,34.987 ; P1.7@52.38,48.5 53.845,47.035 53.845,41.992 MCU.7@58.959,36.879 60.039,35.798 60.039,35.262 v1(60.106,35.195)
  Bottom Middle Layer w0.25: v1(3.6,35) 10.9,42.3 53,42.3 53.6,41.7 ; 53.602,41.7 v1(60.106,35.195) v1@60.012,35.195
SDA: GPS.16 IMU.20 MCU.84 P3.12 R12.1 | length 80
  Top Layer w0.2: IMU.20@19.25,26.562 19.25,26.625 21.7,29.075 GPS.16@21.7,30.7
  Top Layer w0.25: GPS.16@21.7,30.719 v1(21.7,32.5) ; v1(68,17.7) 67.905,17.7 67,16.795 67,16.109 MCU.84@67.798,15.312 77.7,5.409 P3.12@77.7,4
  Bottom Middle Layer w0.25: v1(21.7,32.5) 22.7,33.5 48.6,33.5 61.2,20.9 64.8,20.9 v1(68,17.7)
  Bottom Layer w0.25: v1@67.905,17.7 v1(68,17.7) R12.1@68,18.8
"USB0 DM": MCU.20 P1.20 R1.1 | length 87.6
  Top Layer w0.25: P1.20@37.14,45.96 38.8,44.3 42.564,44.3 43.464,43.4 44.801,43.4 53.55,34.651 53.55,33.095 55.378,31.267 55.733,31.267 v1(55.8,31.2) ; v1(100.5,19.7) R1.1@108.25,19.7
  Bottom Middle Layer w0.25: v1@55.8,31.1 55.8,30 56.6,29.2 60.875,29.2 65.8,34.125 75.075,34.125 80.8,28.4 91.8,28.4 v1(100.5,19.7)
"USB0 DP": MCU.19 P1.19 R2.1 | length 89.1
  Top Layer w0.25: P1.19@37.14,48.5 38.374,47.266 38.374,45.745 39.37,44.75 42.75,44.75 43.65,43.85 44.987,43.85 54,34.837 54,33.387 54.716,32.671 MCU.19@54.716,32.636 54.726,32.636 55.374,31.988 56.112,31.988 56.6,31.5 v1(56.6,30.4) ; v1(101,21.2) R2.1@108.25,21.2
  Bottom Middle Layer w0.25: v1(56.6,30.4) 57.1,29.9 59.9,29.9 65,35 75.675,35 81.4,29.275 92.976,29.275 101,21.251 v1(101,21.2)
"USB D+": P2.3@120.825,25.725 R2.2 | length 12.9
  Top Layer w0.25: R2.2@109.75,21.2 115.4,21.2 119.922,25.722 120.822,25.722 P2.3@120.825,25.725
"USB D-": P2.2@120.825,25.075 R1.2 | length 13.3
  Top Layer w0.25: R1.2@109.75,19.7 114.6,19.7 119.947,25.047 120.797,25.047 P2.2@120.825,25.075
"USB VBUS": "USB JP.1" C9.1 P2.1@120.825,24.425 | length 33.6
  Top Layer w0.25: P2.1@120.825,24.425 P2.1@121.3,24.425
  Top Layer w0.4: v5(113.75,44.5) 113.775,44.525 113.775,45.725 113.75,45.75 ; C9.1@120.25,19.25 120.25,20.75 121.75,22.25 v5(121.75,23) 121.75,23.975 P2.1@121.3,24.425
  Bottom Layer w0.4: v5(113.75,44.5) 115.5,44.5 118.25,41.75 118.25,32.706 121.75,29.206 v5(121.75,23)
VDDA: C12.1 FB2.1 MCU.31 P1.31 R3.2 | length 55.3
  Top Layer w0.25: P1.31@21.9,48.5 23.067,47.333 23.067,45.813 29.53,39.35 40.513,39.35 41.413,38.45 42.75,38.45 48.6,32.6 48.6,30.267 MCU.31@50.473,28.393 50.478,28.393 51.371,27.5 v1(52.2,27.5)
  Bottom Layer w0.25: v1(52.2,27.5) 52.6,27.9 R3.2@59.25,27.9 59.25,28 60.35,29.1 61.55,29.1 62.85,27.8 C12.1@62.9,27.8 64.95,27.8 FB2.1@65,27.85
"VREF OUT": C6.1 MCU.37 P2.1@16.82,1.46 | length 64.3
  Top Layer w0.25: P2.1@16.82,1.46 15.745,2.535 15.745,4.445 18.8,7.5 25.141,7.5 30.066,12.425 38.278,12.425 40.603,14.75 43.123,14.75 47.108,18.735 47.108,20.992 46.8,21.3 v1(46.8,22.2) 47.5,22.9 47.808,22.9 MCU.37@48.706,23.797
  Top Middle Layer w0.25: v1(46.8,22.2) 48.925,24.325 62.075,24.325 v1(62.1,24.3)
  Bottom Middle Layer w0.25: v1@62.075,24.325 v1(62.1,24.3)
  Bottom Layer w0.25: C6.1@60.9,24.3 v1(62.1,24.3)
VREFH: C7.1 MCU.32 P1.32 R3.1 | length 49.4
  Top Layer w0.25: P1.32@21.9,45.96 28.96,38.9 40.327,38.9 41.227,38 42.564,38 48.15,32.414 48.15,30.01 MCU.32@50.12,28.04 50.12,28.01 51.4,26.73 v1(51.4,26.7)
  Bottom Layer w0.25: v1(51.4,26.7) 58.55,26.7 59.1,26.15 C7.1@59.1,26.1 59.475,26.475 59.475,26.525 60.75,27.8 R3.1@60.75,27.9
VREFL: C6.2 C7.2 C12.2 FB3.2 MCU.33 MCU.34 P1.33 P1.34 | length 60.1
  Top Layer w0.25: P1.34@19.36,45.96 20.583,44.737 22.487,44.737 28.774,38.45 40.14,38.45 41.04,37.55 42.377,37.55 47.7,32.227 47.7,29.753 MCU.33@49.766,27.686 50.6,26.853 v1(50.6,26)
  Top Layer w0.3: P1.33@19.36,48.5 19.36,46.04 P1.34@19.4,46 ; MCU.34@49.413,27.333 MCU.33@49.766,27.686
  Bottom Layer w0.3: v1(50.6,26) 51,25.6 57.8,25.6 58.7,24.7 58.75,24.7 C6.2@59.1,24.35 ; FB3.2@59.125,22.5 59.125,24.275 C6.2@59.1,24.3 C6.2@59.1,24.35 ; C12.2@62.9,26 61,26 C7.2@60.9,26.1 60.9,26.05 59.55,24.7 59.45,24.7 C6.2@59.1,24.35
XTAL32: MCU.40 P2.4@19.36,4 Y2.1 | length 46.3
  Top Layer w0.25: P2.4@19.36,4 21.51,6.15 25.701,6.15 30.626,11.075 38.837,11.075 41.162,13.4 43.682,13.4 48.458,18.176 48.458,21.429 MCU.40@49.766,22.737 50.396,23.367 50.396,23.627 49.265,24.759 48.074,24.759 47.615,24.3 Y2.1@46,24.3
pads on no net: ACC.11 BOOT.5 BOOT.11 BOOT.12 BOOT.14 BOOT.15 BOOT.16 BUZZER.1 BUZZER.4 GPS.2 GPS.3 GPS.6 GPS.9 GPS.13 GPS.15 GPS.18 IMU.1 IMU.7 IMU.8 IMU.10 IMU.12 IMU.13 IMU.15 IMU.16 IMU.21 IMU.22 IMU.23 IMU.24 IMU.26 IMU.27 J2.10 J2.11 MCU. NOR1.3 NOR1.7 NOR2.3 NOR2.7 P2.4@120.825,26.375 SD.9 SD.10 SD.13 SD.14
copper on no net:
  other v4: 3,3 122,3 3,47 122,47

## Polygon pours and split planes (outlines as drawn)
GND on Top Middle Layer "GND_L02_P000" (solid, pour order 0): 0,50 0,0 125,0 125,50
GND on Bottom Layer "GND_L04_P001" (solid, pour order 1): 125,50 0,50 0,0 125,0

## Silkscreen, mask and mechanical layers (free items; w line width, h text height)
Top Overlay:
  drawing of 118 lines, arcs and shapes, not listed

## Text inside footprints (layer, text, board x,y; h text height)
P2: Mechanical 1 "PCB EDGE" at 126,22.825 h0.8 r90